# KiCad board SparkFun_BMV080_panelized.kicad_pcb (continued)
## Routing (per net, layer and track width the routed paths; a pad name or vN(x,y) marks a point on that pad's centre or on a via; arc(x,y) is an arc through that point) (continued)
  Bottom w0.203: 43.16,105.33 43.16,105.07 42.03,103.94 v1(40.63,103.94) ; v1(16,77.54) 17.4,77.54 18.53,78.67 18.53,78.93 ; v1(135.76,43.64) 136.34,43.64 C4#48.1 138.12,43.81 138.84,43.09 C5#47.1 138.4,43.06 138.36,43.02 ; 18.53,12.93 18.53,12.67 17.4,11.54 v1(16,11.54) ; v1(12.61,83.24) 13.19,83.24 C4#15.1 14.97,83.41 15.69,82.69 15.69,82.66 15.25,82.66 15.21,82.62 ; 113.73,69.42 113.77,69.46 C5#37.1 114.21,69.49 113.49,70.21 C4#49.1 111.71,70.04 v1(111.13,70.04) ; 15.21,43.02 15.25,43.06 C5#4.1 15.69,43.09 14.97,43.81 C4#13.1 13.19,43.64 v1(12.61,43.64) ; 117.05,12.93 117.05,12.67 115.92,11.54 v1(114.52,11.54) ; 15.21,109.02 15.25,109.06 C5#10.1 15.69,109.09 14.97,109.81 C4#4.1 13.19,109.64 v1(12.61,109.64) ; 113.73,56.22 113.77,56.26 114.21,56.26 114.21,56.29 113.49,57.01 C4#24.1 111.71,56.84 v1(111.13,56.84) ; 138.36,95.82 138.4,95.86 C5#54.1 138.84,95.89 138.12,96.61 C4#53.1 136.34,96.44 v1(135.76,96.44) ; v1(65.26,51.14) 66.66,51.14 67.79,52.27 67.79,52.53 ; 117.05,52.53 117.05,52.27 115.92,51.14 v1(114.52,51.14) ; v1(61.87,96.44) 62.45,96.44 C4#35.1 64.23,96.61 64.95,95.89 C5#26.1 64.51,95.86 64.47,95.82 ; v1(16,37.94) 17.4,37.94 18.53,39.07 18.53,39.33 ; v1(40.63,90.74) 42.03,90.74 43.16,91.87 43.16,92.13 ; v1(12.61,30.44) 13.19,30.44 C4#10.1 14.97,30.61 15.69,29.89 C5#5.1 15.25,29.86 15.21,29.82 ; v1(139.15,51.14) 140.55,51.14 141.68,52.27 141.68,52.53 ; v1(111.13,96.44) 111.71,96.44 C4#42.1 113.49,96.61 114.21,95.89 C5#2.1 113.77,95.86 113.73,95.82 ; v1(65.26,77.54) 66.66,77.54 67.79,78.67 67.79,78.93 ; v1(135.76,122.84) 136.34,122.84 C4#52.1 138.12,123.01 138.84,122.29 C5#49.1 138.4,122.26 138.36,122.22 ; 89.1,69.42 89.14,69.46 C5#36.1 89.58,69.49 88.86,70.21 C4#28.1 87.08,70.04 v1(86.5,70.04) ; v1(139.15,103.94) 140.55,103.94 141.68,105.07 141.68,105.33 ; v1(86.5,122.84) 87.08,122.84 C4#30.1 88.86,123.01 89.58,122.29 C5#34.1 89.14,122.26 89.1,122.22 ; v1(37.24,96.44) 37.82,96.44 C4#2.1 39.6,96.61 40.32,95.89 C5#18.1 39.88,95.86 39.84,95.82 ; v1(135.76,17.24) 136.34,17.24 C4#43.1 138.12,17.41 138.84,16.69 C5#41.1 138.4,16.66 138.36,16.62 ; 67.79,118.53 67.79,118.27 66.66,117.14 v1(65.26,117.14) ; v1(16,117.14) 17.4,117.14 18.53,118.27 18.53,118.53 ; v1(89.89,90.74) 91.29,90.74 92.42,91.87 92.42,92.13 ; v1(40.63,11.54) 42.03,11.54 43.16,12.67 43.16,12.93 ; v1(65.26,64.34) 66.66,64.34 67.79,65.47 67.79,65.73 ; v1(37.24,122.84) 37.82,122.84 C4#3.1 39.6,123.01 40.32,122.29 C5#22.1 39.88,122.26 39.84,122.22 ; v1(37.24,83.24) 37.82,83.24 C4#16.1 39.6,83.41 40.32,82.69 40.32,82.66 39.88,82.66 39.84,82.62 ; 64.47,43.02 64.51,43.06 C5#19.1 64.95,43.09 64.23,43.81 C4#21.1 62.45,43.64 v1(61.87,43.64) ; 43.16,118.53 43.16,118.27 42.03,117.14 v1(40.63,117.14) ; v1(12.61,70.04) 13.19,70.04 C4#14.1 14.97,70.21 15.69,69.49 C5.1 15.25,69.46 15.21,69.42 ; v1(40.63,77.54) 42.03,77.54 43.16,78.67 43.16,78.93 ; v1(139.15,37.94) 140.55,37.94 141.68,39.07 141.68,39.33 ; 138.36,109.02 138.4,109.06 C5#50.1 138.84,109.09 138.12,109.81 C4#54.1 136.34,109.64 v1(135.76,109.64) ; 138.36,82.62 138.4,82.66 138.84,82.66 138.84,82.69 138.12,83.41 C4#47.1 136.34,83.24 v1(135.76,83.24) ; v1(111.13,43.64) 111.71,43.64 C4#33.1 113.49,43.81 114.21,43.09 C5#39.1 113.77,43.06 113.73,43.02 ; v1(89.89,37.94) 91.29,37.94 92.42,39.07 92.42,39.33 ; v1(86.5,17.24) 87.08,17.24 C4#36.1 88.86,17.41 89.58,16.69 C5#28.1 89.14,16.66 89.1,16.62 ; v1(86.5,96.44) 87.08,96.44 C4#41.1 88.86,96.61 89.58,95.89 C5#33.1 89.14,95.86 89.1,95.82 ; v1(89.89,11.54) 91.29,11.54 92.42,12.67 92.42,12.93 ; 18.53,105.33 18.53,105.07 17.4,103.94 v1(16,103.94) ; 141.68,12.93 141.68,12.67 140.55,11.54 v1(139.15,11.54) ; 64.47,16.62 64.51,16.66 C5#23.1 64.95,16.69 64.23,17.41 C4#19.1 62.45,17.24 v1(61.87,17.24) ; 39.84,56.22 39.88,56.26 40.32,56.26 40.32,56.29 39.6,57.01 C4#6.1 37.82,56.84 v1(37.24,56.84) ; 15.21,56.22 15.25,56.26 15.69,56.26 15.69,56.29 14.97,57.01 C4#12.1 13.19,56.84 v1(12.61,56.84) ; 89.1,109.02 89.14,109.06 C5#46.1 89.58,109.09 88.86,109.81 C4#38.1 87.08,109.64 v1(86.5,109.64) ; v1(37.24,70.04) 37.82,70.04 C4#7.1 39.6,70.21 40.32,69.49 C5#7.1 39.88,69.46 39.84,69.42 ; v1(40.63,37.94) 42.03,37.94 43.16,39.07 43.16,39.33 ; v1(65.26,90.74) 66.66,90.74 67.79,91.87 67.79,92.13 ; 67.79,12.93 67.79,12.67 66.66,11.54 v1(65.26,11.54) ; 89.1,56.22 89.14,56.26 89.58,56.26 89.58,56.29 88.86,57.01 C4#27.1 87.08,56.84 v1(86.5,56.84) ; v1(16,24.74) 17.4,24.74 18.53,25.87 18.53,26.13 ; 89.1,43.02 89.14,43.06 C5#42.1 89.58,43.09 88.86,43.81 C4#32.1 87.08,43.64 v1(86.5,43.64) ; v1(114.52,24.74) 115.92,24.74 117.05,25.87 117.05,26.13 ; v1(86.5,30.44) 87.08,30.44 C4#40.1 88.86,30.61 89.58,29.89 C5#21.1 89.14,29.86 89.1,29.82 ; v1(139.15,117.14) 140.55,117.14 141.68,118.27 141.68,118.53 ; 64.47,109.02 64.51,109.06 C5#27.1 64.95,109.09 64.23,109.81 C4#31.1 62.45,109.64 v1(61.87,109.64) ; v1(114.52,117.14) 115.92,117.14 117.05,118.27 117.05,118.53 ; 18.53,52.53 18.53,52.27 17.4,51.14 v1(16,51.14) ; v1(111.13,122.84) 111.71,122.84 C4#44.1 113.49,123.01 114.21,122.29 C5#43.1 113.77,122.26 113.73,122.22 ; 64.47,29.82 64.51,29.86 C5#29.1 64.95,29.89 64.23,30.61 C4#20.1 62.45,30.44 v1(61.87,30.44) ; 89.1,82.62 89.14,82.66 89.58,82.66 89.58,82.69 88.86,83.41 C4#37.1 87.08,83.24 v1(86.5,83.24) ; 138.36,56.22 138.4,56.26 138.84,56.26 138.84,56.29 138.12,57.01 C4#45.1 136.34,56.84 v1(135.76,56.84) ; 117.05,105.33 117.05,105.07 115.92,103.94 v1(114.52,103.94) ; v1(135.76,70.04) 136.34,70.04 C4#39.1 138.12,70.21 138.84,69.49 C5#51.1 138.4,69.46 138.36,69.42 ; 67.79,105.33 67.79,105.07 66.66,103.94 v1(65.26,103.94) ; 64.47,56.22 64.51,56.26 64.95,56.26 64.95,56.29 64.23,57.01 C4#22.1 62.45,56.84 v1(61.87,56.84) ; v1(40.63,24.74) 42.03,24.74 43.16,25.87 43.16,26.13 ; 39.84,43.02 39.88,43.06 C5#14.1 40.32,43.09 39.6,43.81 C4#17.1 37.82,43.64 v1(37.24,43.64) ; 15.21,16.62 15.25,16.66 C5#3.1 15.69,16.69 14.97,17.41 C4.1 13.19,17.24 v1(12.61,17.24) ; 39.84,29.82 39.88,29.86 C5#9.1 40.32,29.89 39.6,30.61 C4#11.1 37.82,30.44 v1(37.24,30.44) ; v1(139.15,77.54) 140.55,77.54 141.68,78.67 141.68,78.93 ; 92.42,65.73 92.42,65.47 91.29,64.34 v1(89.89,64.34) ; 117.05,39.33 117.05,39.07 115.92,37.94 v1(114.52,37.94) ; 113.73,29.82 113.77,29.86 C5#48.1 114.21,29.89 113.49,30.61 C4#25.1 111.71,30.44 v1(111.13,30.44) ; 18.53,65.73 18.53,65.47 17.4,64.34 v1(16,64.34) ; v1(139.15,90.74) 140.55,90.74 141.68,91.87 141.68,92.13 ; v1(12.61,122.84) 13.19,122.84 C4#9.1 14.97,123.01 15.69,122.29 C5#11.1 15.25,122.26 15.21,122.22 ; v1(40.63,51.14) 42.03,51.14 43.16,52.27 43.16,52.53 ; 92.42,105.33 92.42,105.07 91.29,103.94 v1(89.89,103.94) ; v1(114.52,77.54) 115.92,77.54 117.05,78.67 117.05,78.93 ; v1(12.61,96.44) 13.19,96.44 C4#8.1 14.97,96.61 15.69,95.89 C5#15.1 15.25,95.86 15.21,95.82 ; v1(111.13,83.24) 111.71,83.24 C4#46.1 113.49,83.41 114.21,82.69 114.21,82.66 113.77,82.66 113.73,82.62 ; 39.84,16.62 39.88,16.66 C5#12.1 40.32,16.69 39.6,17.41 C4#5.1 37.82,17.24 v1(37.24,17.24) ; 92.42,26.13 92.42,25.87 91.29,24.74 v1(89.89,24.74) ; 43.16,65.73 43.16,65.47 42.03,64.34 v1(40.63,64.34) ; 141.68,65.73 141.68,65.47 140.55,64.34 v1(139.15,64.34) ; v1(135.76,30.44) 136.34,30.44 C4#51.1 138.12,30.61 138.84,29.89 C5#44.1 138.4,29.86 138.36,29.82 ; 64.47,122.22 64.51,122.26 C5#30.1 64.95,122.29 64.23,123.01 C4#26.1 62.45,122.84 v1(61.87,122.84) ; v1(16,90.74) 17.4,90.74 18.53,91.87 18.53,92.13 ; v1(61.87,83.24) 62.45,83.24 C4#29.1 64.23,83.41 64.95,82.69 64.95,82.66 64.51,82.66 64.47,82.62 ; 92.42,52.53 92.42,52.27 91.29,51.14 v1(89.89,51.14) ; v1(114.52,90.74) 115.92,90.74 117.05,91.87 117.05,92.13 ; v1(111.13,17.24) 111.71,17.24 C4#34.1 113.49,17.41 114.21,16.69 C5#31.1 113.77,16.66 113.73,16.62 ; 67.79,39.33 67.79,39.07 66.66,37.94 v1(65.26,37.94) ; 117.05,65.73 117.05,65.47 115.92,64.34 v1(114.52,64.34) ; 113.73,109.02 113.77,109.06 C5#40.1 114.21,109.09 113.49,109.81 C4#50.1 111.71,109.64 v1(111.13,109.64) ; 141.68,26.13 141.68,25.87 140.55,24.74 v1(139.15,24.74) ; v1(65.26,24.74) 66.66,24.74 67.79,25.87 67.79,26.13 ; 39.84,109.02 39.88,109.06 C5#8.1 40.32,109.09 39.6,109.81 C4#18.1 37.82,109.64 v1(37.24,109.64) ; 92.42,118.53 92.42,118.27 91.29,117.14 v1(89.89,117.14) ; v1(61.87,70.04) 62.45,70.04 C4#23.1 64.23,70.21 64.95,69.49 C5#25.1 64.51,69.46 64.47,69.42 ; v1(89.89,77.54) 91.29,77.54 92.42,78.67 92.42,78.93
  Bottom w0.508: J2#45.5 119.98,117.58 v1(119.47,118.09) 119.46,118.08 118.69,118.08 118.69,118.08 118.68,118.08 117.5,118.08 115.96,119.62 115.96,120.79 114.49,122.26 C5#43.1 114.01,122.05 112.51,122.05 111.58,121.12 111.58,118.55 111.33,118.3 J1#33.2 ; J1#7.2 12.81,105.1 13.06,105.35 13.06,107.92 13.99,108.85 15.49,108.85 C5#10.1 15.97,109.06 17.44,107.59 17.44,106.42 18.98,104.88 20.16,104.88 20.17,104.88 20.17,104.88 20.94,104.88 v1(20.95,104.89) 21.45,104.39 J2#11.5 ; J1#11.2 37.44,39.1 37.69,39.35 37.69,41.92 38.62,42.85 40.12,42.85 C5#14.1 40.6,43.06 42.07,41.59 42.07,40.42 43.61,38.88 44.79,38.88 44.8,38.88 44.8,38.88 45.57,38.88 v1(45.58,38.89) 46.08,38.39 J2#3.5 ; J2#9.5 21.45,91.19 v1(20.95,91.69) 20.94,91.68 20.17,91.68 20.17,91.68 20.16,91.68 18.98,91.68 17.44,93.22 17.44,94.39 15.97,95.86 C5#15.1 15.49,95.65 13.99,95.65 13.06,94.72 13.06,92.15 12.81,91.9 J1#13.2 ; J1#10.2 37.44,25.9 37.69,26.15 37.69,28.72 38.62,29.65 40.12,29.65 C5#9.1 40.6,29.86 42.07,28.39 42.07,27.22 43.61,25.68 44.79,25.68 44.8,25.68 44.8,25.68 45.57,25.68 v1(45.58,25.69) 46.08,25.19 J2#13.5 ; J1#2.2 12.81,39.1 13.06,39.35 13.06,41.92 13.99,42.85 15.49,42.85 C5#4.1 15.97,43.06 17.44,41.59 17.44,40.42 18.98,38.88 20.16,38.88 20.17,38.88 20.17,38.88 20.94,38.88 v1(20.95,38.89) 21.45,38.39 J2#7.5 ; J2#47.5 144.61,51.59 v1(144.1,52.09) 144.09,52.08 143.32,52.08 143.31,52.08 143.31,52.08 142.13,52.08 140.59,53.62 140.59,54.79 139.12,56.26 138.84,56.26 138.64,56.05 137.14,56.05 136.21,55.12 136.21,52.55 135.96,52.3 J1#51.2 ; J1#46.2 111.33,65.5 111.58,65.75 111.58,68.32 112.51,69.25 114.01,69.25 C5#37.1 114.49,69.46 115.96,67.99 115.96,66.82 117.5,65.28 118.68,65.28 118.69,65.28 118.69,65.28 119.46,65.28 v1(119.47,65.29) 119.98,64.78 J2#50.5 ; J2#2.5 46.08,11.98 v1(45.58,12.49) 45.57,12.48 44.8,12.48 44.8,12.48 44.79,12.48 43.61,12.48 42.07,14.02 42.07,15.19 40.6,16.66 C5#12.1 40.12,16.45 38.62,16.45 37.69,15.52 37.69,12.95 37.44,12.7 J1#9.2 ; J1#39.2 135.96,91.9 136.21,92.15 136.21,94.72 137.14,95.65 138.64,95.65 C5#54.1 139.12,95.86 140.59,94.39 140.59,93.22 142.13,91.68 143.31,91.68 143.31,91.68 143.32,91.68 144.09,91.68 v1(144.1,91.69) 144.61,91.19 J2#49.5 ; J2#31.5 70.72,117.58 v1(70.21,118.09) 70.2,118.08 69.43,118.08 69.42,118.08 69.42,118.08 68.24,118.08 66.7,119.62 66.7,120.79 65.23,122.26 C5#30.1 64.75,122.05 63.25,122.05 62.32,121.12 62.32,118.55 62.07,118.3 J1#32.2 ; J1#4.2 12.81,52.3 13.06,52.55 13.06,55.12 13.99,56.05 15.49,56.05 15.69,56.26 15.97,56.26 17.44,54.79 17.44,53.62 18.98,52.08 20.16,52.08 20.17,52.08 20.17,52.08 20.94,52.08 v1(20.95,52.09) 21.45,51.59 J2#10.5 ; J2#35.5 95.35,104.39 v1(94.84,104.89) 94.83,104.88 94.06,104.88 94.05,104.88 94.05,104.88 92.87,104.88 91.33,106.42 91.33,107.59 89.86,109.06 C5#46.1 89.38,108.85 87.88,108.85 86.95,107.92 86.95,105.35 86.7,105.1 J1#45.2 ; J2#46.5 144.61,25.19 v1(144.1,25.69) 144.09,25.68 143.32,25.68 143.31,25.68 143.31,25.68 142.13,25.68 140.59,27.22 140.59,28.39 139.12,29.86 C5#44.1 138.64,29.65 137.14,29.65 136.21,28.72 136.21,26.15 135.96,25.9 J1#53.2 ; J2#28.5 95.35,51.59 v1(94.84,52.09) 94.83,52.08 94.06,52.08 94.05,52.08 94.05,52.08 92.87,52.08 91.33,53.62 91.33,54.79 89.86,56.26 89.58,56.26 89.38,56.05 87.88,56.05 86.95,55.12 86.95,52.55 86.7,52.3 J1#15.2 ; J2#48.5 144.61,77.98 v1(144.1,78.49) 144.09,78.48 143.32,78.48 143.31,78.48 143.31,78.48 142.13,78.48 140.59,80.02 140.59,81.19 139.12,82.66 138.84,82.66 138.64,82.45 137.14,82.45 136.21,81.52 136.21,78.95 135.96,78.7 J1#52.2 ; J2#34.5 95.35,91.19 v1(94.84,91.69) 94.83,91.68 94.06,91.68 94.05,91.68 94.05,91.68 92.87,91.68 91.33,93.22 91.33,94.39 89.86,95.86 C5#33.1 89.38,95.65 87.88,95.65 86.95,94.72 86.95,92.15 86.7,91.9 J1#48.2 ; J1#31.2 37.44,65.5 37.69,65.75 37.69,68.32 38.62,69.25 40.12,69.25 C5#7.1 40.6,69.46 42.07,67.99 42.07,66.82 43.61,65.28 44.79,65.28 44.8,65.28 44.8,65.28 45.57,65.28 v1(45.58,65.29) 46.08,64.78 J2#15.5 ; J1#30.2 37.44,118.3 37.69,118.55 37.69,121.12 38.62,122.05 40.12,122.05 C5#22.1 40.6,122.26 42.07,120.79 42.07,119.62 43.61,118.08 44.79,118.08 44.8,118.08 44.8,118.08 45.57,118.08 v1(45.58,118.09) 46.08,117.58 J2#20.5 ; J1#24.2 62.07,25.9 62.32,26.15 62.32,28.72 63.25,29.65 64.75,29.65 C5#29.1 65.23,29.86 66.7,28.39 66.7,27.22 68.24,25.68 69.42,25.68 69.42,25.68 69.43,25.68 70.2,25.68 v1(70.21,25.69) 70.72,25.19 J2#18.5 ; J1#40.2 135.96,65.5 136.21,65.75 136.21,68.32 137.14,69.25 138.64,69.25 C5#51.1 139.12,69.46 140.59,67.99 140.59,66.82 142.13,65.28 143.31,65.28 143.31,65.28 143.32,65.28 144.09,65.28 v1(144.1,65.29) 144.61,64.78 J2#37.5 ; J1#14.2 62.07,65.5 62.32,65.75 62.32,68.32 63.25,69.25 64.75,69.25 C5#25.1 65.23,69.46 66.7,67.99 66.7,66.82 68.24,65.28 69.42,65.28 69.42,65.28 69.43,65.28 70.2,65.28 v1(70.21,65.29) 70.72,64.78 J2#30.5 ; J2#12.5 21.45,117.58 v1(20.95,118.09) 20.94,118.08 20.17,118.08 20.17,118.08 20.16,118.08 18.98,118.08 17.44,119.62 17.44,120.79 15.97,122.26 C5#11.1 15.49,122.05 13.99,122.05 13.06,121.12 13.06,118.55 12.81,118.3 J1#8.2 ; J2#43.5 119.98,77.98 v1(119.47,78.49) 119.46,78.48 118.69,78.48 118.69,78.48 118.68,78.48 117.5,78.48 115.96,80.02 115.96,81.19 114.49,82.66 114.21,82.66 114.01,82.45 112.51,82.45 111.58,81.52 111.58,78.95 111.33,78.7 J1#38.2 ; J2#19.5 46.08,104.39 v1(45.58,104.89) 45.57,104.88 44.8,104.88 44.8,104.88 44.79,104.88 43.61,104.88 42.07,106.42 42.07,107.59 40.6,109.06 C5#8.1 40.12,108.85 38.62,108.85 37.69,107.92 37.69,105.35 37.44,105.1 J1#27.2 ; J1#49.2 111.33,39.1 111.58,39.35 111.58,41.92 112.51,42.85 114.01,42.85 C5#39.1 114.49,43.06 115.96,41.59 115.96,40.42 117.5,38.88 118.68,38.88 118.69,38.88 118.69,38.88 119.46,38.88 v1(119.47,38.89) 119.98,38.39 J2#40.5 ; J1#18.2 62.07,78.7 62.32,78.95 62.32,81.52 63.25,82.45 64.75,82.45 64.95,82.66 65.23,82.66 66.7,81.19 66.7,80.02 68.24,78.48 69.42,78.48 69.42,78.48 69.43,78.48 70.2,78.48 v1(70.21,78.49) 70.72,77.98 J2#22.5 ; J1#3.2 12.81,25.9 13.06,26.15 13.06,28.72 13.99,29.65 15.49,29.65 C5#5.1 15.97,29.86 17.44,28.39 17.44,27.22 18.98,25.68 20.16,25.68 20.17,25.68 20.17,25.68 20.94,25.68 v1(20.95,25.69) 21.45,25.19 J2#8.5 ; J1#5.2 12.81,65.5 13.06,65.75 13.06,68.32 13.99,69.25 15.49,69.25 C5.1 15.97,69.46 17.44,67.99 17.44,66.82 18.98,65.28 20.16,65.28 20.17,65.28 20.17,65.28 20.94,65.28 v1(20.95,65.29) 21.45,64.78 J2#4.5 ; J1#25.2 86.7,12.7 86.95,12.95 86.95,15.52 87.88,16.45 89.38,16.45 C5#28.1 89.86,16.66 91.33,15.19 91.33,14.02 92.87,12.48 94.05,12.48 94.05,12.48 94.06,12.48 94.83,12.48 v1(94.84,12.49) 95.35,11.98 J2#25.5 ; J2#29.5 95.35,77.98 v1(94.84,78.49) 94.83,78.48 94.06,78.48 94.05,78.48 94.05,78.48 92.87,78.48 91.33,80.02 91.33,81.19 89.86,82.66 89.58,82.66 89.38,82.45 87.88,82.45 86.95,81.52 86.95,78.95 86.7,78.7 J1#41.2 ; J1#28.2 62.07,105.1 62.32,105.35 62.32,107.92 63.25,108.85 64.75,108.85 C5#27.1 65.23,109.06 66.7,107.59 66.7,106.42 68.24,104.88 69.42,104.88 69.42,104.88 69.43,104.88 70.2,104.88 v1(70.21,104.89) 70.72,104.39 J2#24.5 ; J2#51.5 144.61,104.39 v1(144.1,104.89) 144.09,104.88 143.32,104.88 143.31,104.88 143.31,104.88 142.13,104.88 140.59,106.42 140.59,107.59 139.12,109.06 C5#50.1 138.64,108.85 137.14,108.85 136.21,107.92 136.21,105.35 135.96,105.1 J1#43.2 ; J1#34.2 111.33,52.3 111.58,52.55 111.58,55.12 112.51,56.05 114.01,56.05 114.21,56.26 114.49,56.26 115.96,54.79 115.96,53.62 117.5,52.08 118.68,52.08 118.69,52.08 118.69,52.08 119.46,52.08 v1(119.47,52.09) 119.98,51.59 J2#38.5 ; J2#23.5 46.08,91.19 v1(45.58,91.69) 45.57,91.68 44.8,91.68 44.8,91.68 44.79,91.68 43.61,91.68 42.07,93.22 42.07,94.39 40.6,95.86 C5#18.1 40.12,95.65 38.62,95.65 37.69,94.72 37.69,92.15 37.44,91.9 J1#26.2 ; J1#50.2 135.96,12.7 136.21,12.95 136.21,15.52 137.14,16.45 138.64,16.45 C5#41.1 139.12,16.66 140.59,15.19 140.59,14.02 142.13,12.48 143.31,12.48 143.31,12.48 143.32,12.48 144.09,12.48 v1(144.1,12.49) 144.61,11.98 J2#39.5 ; J1#16.2 86.7,65.5 86.95,65.75 86.95,68.32 87.88,69.25 89.38,69.25 C5#36.1 89.86,69.46 91.33,67.99 91.33,66.82 92.87,65.28 94.05,65.28 94.05,65.28 94.06,65.28 94.83,65.28 v1(94.84,65.29) 95.35,64.78 J2#17.5 ; J2#6.5 21.45,77.98 v1(20.95,78.49) 20.94,78.48 20.17,78.48 20.17,78.48 20.16,78.48 18.98,78.48 17.44,80.02 17.44,81.19 15.97,82.66 15.69,82.66 15.49,82.45 13.99,82.45 13.06,81.52 13.06,78.95 12.81,78.7 J1#6.2 ; J2#32.5 95.35,38.39 v1(94.84,38.89) 94.83,38.88 94.06,38.88 94.05,38.88 94.05,38.88 92.87,38.88 91.33,40.42 91.33,41.59 89.86,43.06 C5#42.1 89.38,42.85 87.88,42.85 86.95,41.92 86.95,39.35 86.7,39.1 J1#29.2 ; J1#36.2 111.33,91.9 111.58,92.15 111.58,94.72 112.51,95.65 114.01,95.65 C5#2.1 114.49,95.86 115.96,94.39 115.96,93.22 117.5,91.68 118.68,91.68 118.69,91.68 118.69,91.68 119.46,91.68 v1(119.47,91.69) 119.98,91.19 J2#44.5 ; J1#54.2 135.96,39.1 136.21,39.35 136.21,41.92 137.14,42.85 138.64,42.85 C5#47.1 139.12,43.06 140.59,41.59 140.59,40.42 142.13,38.88 143.31,38.88 143.31,38.88 143.32,38.88 144.09,38.88 v1(144.1,38.89) 144.61,38.39 J2#41.5 ; J2#26.5 70.72,91.19 v1(70.21,91.69) 70.2,91.68 69.43,91.68 69.42,91.68 69.42,91.68 68.24,91.68 66.7,93.22 66.7,94.39 65.23,95.86 C5#26.1 64.75,95.65 63.25,95.65 62.32,94.72 62.32,92.15 62.07,91.9 J1#20.2 ; J2#27.5 95.35,25.19 v1(94.84,25.69) 94.83,25.68 94.06,25.68 94.05,25.68 94.05,25.68 92.87,25.68 91.33,27.22 91.33,28.39 89.86,29.86 C5#21.1 89.38,29.65 87.88,29.65 86.95,28.72 86.95,26.15 86.7,25.9 J1#22.2 ; J1#44.2 135.96,118.3 136.21,118.55 136.21,121.12 137.14,122.05 138.64,122.05 C5#49.1 139.12,122.26 140.59,120.79 140.59,119.62 142.13,118.08 143.31,118.08 143.31,118.08 143.32,118.08 144.09,118.08 v1(144.1,118.09) 144.61,117.58 J2#53.5 ; J2#52.5 119.98,104.39 v1(119.47,104.89) 119.46,104.88 118.69,104.88 118.69,104.88 118.68,104.88 117.5,104.88 115.96,106.42 115.96,107.59 114.49,109.06 C5#40.1 114.01,108.85 112.51,108.85 111.58,107.92 111.58,105.35 111.33,105.1 J1#37.2 ; J1#21.2 62.07,12.7 62.32,12.95 62.32,15.52 63.25,16.45 64.75,16.45 C5#23.1 65.23,16.66 66.7,15.19 66.7,14.02 68.24,12.48 69.42,12.48 69.42,12.48 69.43,12.48 70.2,12.48 v1(70.21,12.49) 70.72,11.98 J2#21.5 ; J2.5 21.45,11.98 v1(20.95,12.49) 20.94,12.48 20.17,12.48 20.17,12.48 20.16,12.48 18.98,12.48 17.44,14.02 17.44,15.19 15.97,16.66 C5#3.1 15.49,16.45 13.99,16.45 13.06,15.52 13.06,12.95 12.81,12.7 J1.2 ; J1#35.2 111.33,25.9 111.58,26.15 111.58,28.72 112.51,29.65 114.01,29.65 C5#48.1 114.49,29.86 115.96,28.39 115.96,27.22 117.5,25.68 118.68,25.68 118.69,25.68 118.69,25.68 119.46,25.68 v1(119.47,25.69) 119.98,25.19 J2#42.5 ; J1#12.2 37.44,52.3 37.69,52.55 37.69,55.12 38.62,56.05 40.12,56.05 40.32,56.26 40.6,56.26 42.07,54.79 42.07,53.62 43.61,52.08 44.79,52.08 44.8,52.08 44.8,52.08 45.57,52.08 v1(45.58,52.09) 46.08,51.59 J2#14.5 ; J2#33.5 70.72,38.39 v1(70.21,38.89) 70.2,38.88 69.43,38.88 69.42,38.88 69.42,38.88 68.24,38.88 66.7,40.42 66.7,41.59 65.23,43.06 C5#19.1 64.75,42.85 63.25,42.85 62.32,41.92 62.32,39.35 62.07,39.1 J1#23.2 ; J1#17.2 62.07,52.3 62.32,52.55 62.32,55.12 63.25,56.05 64.75,56.05 64.95,56.26 65.23,56.26 66.7,54.79 66.7,53.62 68.24,52.08 69.42,52.08 69.42,52.08 69.43,52.08 70.2,52.08 v1(70.21,52.09) 70.72,51.59 J2#16.5 ; J2#54.5 119.98,11.98 v1(119.47,12.49) 119.46,12.48 118.69,12.48 118.69,12.48 118.68,12.48 117.5,12.48 115.96,14.02 115.96,15.19 114.49,16.66 C5#31.1 114.01,16.45 112.51,16.45 111.58,15.52 111.58,12.95 111.33,12.7 J1#42.2 ; J2#5.5 46.08,77.98 v1(45.58,78.49) 45.57,78.48 44.8,78.48 44.8,78.48 44.79,78.48 43.61,78.48 42.07,80.02 42.07,81.19 40.6,82.66 40.32,82.66 40.12,82.45 38.62,82.45 37.69,81.52 37.69,78.95 37.44,78.7 J1#19.2 ; J1#47.2 86.7,118.3 86.95,118.55 86.95,121.12 87.88,122.05 89.38,122.05 C5#34.1 89.86,122.26 91.33,120.79 91.33,119.62 92.87,118.08 94.05,118.08 94.05,118.08 94.06,118.08 94.83,118.08 v1(94.84,118.09) 95.35,117.58 J2#36.5
